# Altium PCB PCB.PcbDoc (part 6 of 10) (continued)
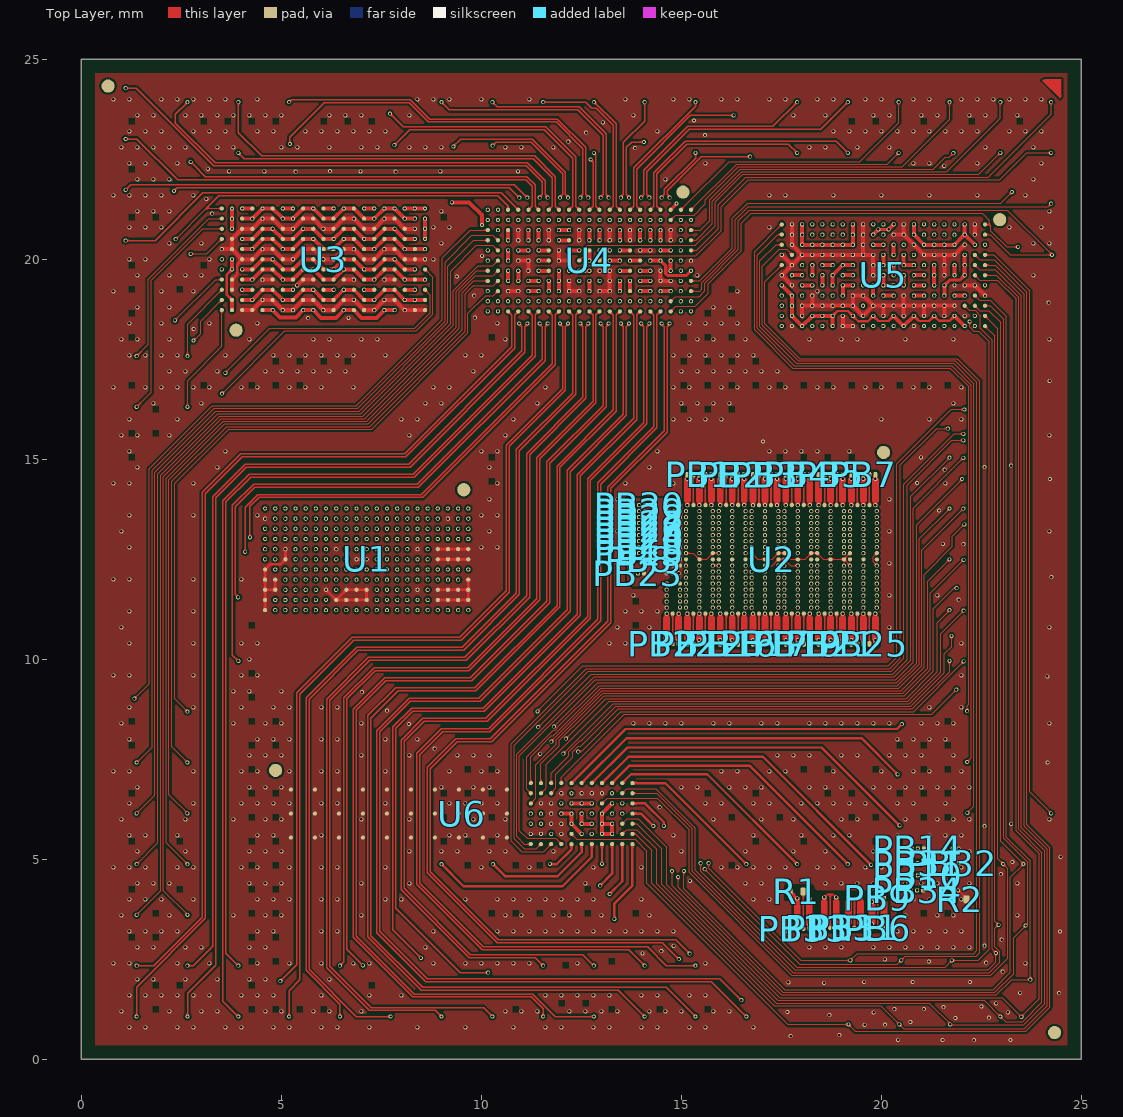
[diagram p0: Top Layer view]
## Nets (pads, with @x,y where several pads share a name; then routed paths per layer and width w, separated by ;. In a path a pad name is that pad's centre, name@x,y a point inside that pad or via, vN(x,y) a via of type N, cw(c..) or ccw(c..) an arc to the next point about the centre after c; other vN are vias at no path point) (continued)
  bu3 w0.035: v1(13.21,18.952) 13.49,18.672 v1(13.49,18.395)
  Core1 w0.1: v3(16.31,1.07) v6(16.625,1.071)
  Core1b w0.1: v3(16.31,1.07) v6(16.625,1.071)
  bu3b w0.1: v3(16.31,1.07) v4(16.51,1.07)
  bu2 w0.03: v2(7.007,9.606) 7.007,4.395 7.499,3.903 7.499,3.86 9.778,1.581 15.736,1.581 16.247,1.071 v6(16.625,1.071) ; v5@17.278,9.737 17.278,10.074 18.081,10.877 18.081,11.428 v2(18.247,11.594)
  bu2b w0.1: v3(16.31,1.07) v4(16.51,1.07)
  bu1 w0.03: v6(16.625,1.071) 17.279,1.725 v5(17.279,9.733)
  bu1b w0.1: v3(16.31,1.07) v6(16.625,1.071)
  other v1: 16.625,1.071 18.247,11.594
  other v2: 16.625,1.071
  other v5: 16.625,1.071
  other v7: 16.625,1.071
  other v8: 16.31,1.07
  other v10: 16.31,1.07
sig_W8: J1.W8 U1.I11 U2.78 U4.N11 | length 58.6
  Top Layer w0.035: U4.N11@13.464,18.698 13.374,18.608 13.374,16.205 11.967,14.798 11.967,11.312 9.865,9.21 7.929,9.21 7.241,8.522 7.241,3.093 8.533,1.801 14.624,1.801 v6(15.355,1.071)
  bu3 w0.03: v2(6.626,9.756) v1(6.626,11.23)
  Core1 w0.1: v3(15.04,1.07) v6(15.355,1.071)
  Core1b w0.1: v3(15.04,1.07) v6(15.355,1.071)
  bu3b w0.1: v3(15.04,1.07) v4(15.24,1.07)
  bu2 w0.03: v2(6.626,9.756) 6.626,4.406 7.227,3.805 7.227,3.264 8.781,1.71 9.523,1.71 9.742,1.491 14.934,1.491 v6(15.355,1.071) ; v5(16.948,9.258) 16.948,10.001 17.803,10.856 17.803,11.513 v2@17.577,11.739
  bu2b w0.1: v3(15.04,1.07) v4(15.24,1.07)
  bu1 w0.03: v6(15.355,1.071) 15.355,1.622 16.072,2.339 16.072,3.817 16.948,4.693 v5(16.948,9.258)
  bu1b w0.1: v3(15.04,1.07) v6(15.355,1.071)
  other v1: 15.355,1.071 17.577,11.744
  other v2: 15.355,1.071 17.577,11.744
  other v5: 15.355,1.071
  other v7: 15.355,1.071
  other v8: 15.04,1.07
  other v10: 15.04,1.07
sig_W9: J1.W9 U1.N8 U2.80 U4.M11 | length 59.1
  Top Layer w0.035: U4.M11@13.21,18.698 13.3,18.608 13.3,16.236 11.893,14.829 11.893,11.343 9.834,9.284 7.855,9.284 7.167,8.596 7.167,3.062 8.502,1.727 13.428,1.727 v1@14.085,1.071
  bu3 w0.03: v2@6.499,9.606 6.501,9.608 6.501,11.734 6.628,11.861 7.786,11.861 7.898,11.973 v1(7.896,11.992)
  Core1 w0.1: v10@13.77,1.07 v7@14.084,1.07
  Core1b w0.1: v10@13.77,1.07 v6@14.084,1.07
  bu3b w0.1: v3@13.77,1.07 v4@13.97,1.07
  bu2 w0.03: v2@6.499,9.606 6.501,9.604 6.501,4.404 7.147,3.758 7.147,3.197 8.712,1.632 9.489,1.632 9.722,1.399 13.756,1.399 v5@14.085,1.071
  bu2b w0.1: v8@13.77,1.07 v4@13.97,1.07
  bu1 w0.03: v5@14.085,1.071 15.011,1.997 15.011,3.899 16.709,5.597 16.709,9.309 16.691,9.327 16.691,9.431 16.739,9.479 16.739,9.946 17.684,10.891 17.684,11.937 v5@17.577,12.044
  bu1b w0.1: v8@13.77,1.07 v6@14.084,1.07
  other v1: 14.082,1.071 17.575,12.044
  other v2: 14.082,1.071 6.497,9.606 17.575,12.044
  other v3: 13.768,1.07
  other v4: 13.968,1.07
  other v5: 14.082,1.071 17.575,12.044
  other v6: 14.082,1.071
  other v7: 14.082,1.071
  other v8: 13.768,1.07
  other v10: 13.768,1.07
sig_W10: J1.W10 U1.H11 U2.75 U4.L10 | length 55.1
  Top Layer w0.035: v1(12.815,1.071) 11.847,1.071 11.291,1.627 8.328,1.627 6.873,3.082 6.873,8.724 7.613,9.464 9.759,9.464 11.713,11.418 11.713,14.903 13.12,16.31 13.12,18.314 13.184,18.378 v1(13.184,18.395)
  bu3 w0.03: v2(6.372,9.756) v1(6.372,11.23)
  bu3 w0.035: v1(12.956,18.952) 13.184,18.724 v1(13.184,18.395)
  Core1 w0.1: v3(12.5,1.07) v1(12.815,1.071)
  Core1b w0.1: v3(12.5,1.07) v1(12.815,1.071)
  bu3b w0.1: v3(12.5,1.07) v4(12.7,1.07)
  bu2 w0.03: v2(6.372,9.756) 6.372,4.373 7.068,3.677 7.068,3.15 8.671,1.547 9.45,1.547 9.678,1.319 12.566,1.319 v1(12.815,1.071) ; v5(16.47,9.672) 16.47,9.828 17.577,10.935 v2(17.577,11.294)
  bu2b w0.1: v3(12.5,1.07) v4(12.7,1.07)
  bu1 w0.03: v1(12.815,1.071) 13.72,1.976 13.72,3.468 16.47,6.218 v5(16.47,9.672)
  bu1b w0.1: v3(12.5,1.07) v1(12.815,1.071)
  other v1: 17.577,11.294
  other v2: 12.815,1.071
  other v5: 12.815,1.071
  other v6: 12.815,1.071
  other v7: 12.815,1.071
  other v8: 12.5,1.07
  other v10: 12.5,1.07
sig_W11: J1.W11 U1.H9 U2.89 U4.K10 | length 54.4
  Top Layer w0.035: v2(11.545,1.071) 11.545,1.269 11.246,1.567 8.283,1.567 6.799,3.051 6.799,8.755 7.582,9.538 9.729,9.538 11.639,11.448 11.639,14.934 13.046,16.341 13.046,18.314 12.982,18.378 v1(12.982,18.395)
  bu3 w0.03: v2(6.245,9.606) 6.245,11.612 v1(6.372,11.738)
  bu3 w0.035: v1(12.702,18.952) 12.982,18.672 v1(12.982,18.395)
  Core1 w0.1: v8(11.23,1.07) v2(11.545,1.071)
  Core1b w0.1: v8(11.23,1.07) v2(11.545,1.071)
  bu3b w0.1: v8(11.23,1.07) v4(11.43,1.07)
  bu2 w0.03: v2(6.245,9.606) 6.245,4.373 6.991,3.627 6.991,3.1 8.621,1.47 9.408,1.47 9.632,1.246 11.369,1.246 v2(11.545,1.071) ; v5(16.209,9.12) 16.209,9.748 17.324,10.863 17.324,11.341 v1(17.427,11.444)
  bu2b w0.1: v8(11.23,1.07) v4(11.43,1.07)
  bu1 w0.03: v2(11.545,1.071) 12.566,2.092 12.566,3.119 13.216,3.769 13.658,3.769 16.209,6.32 v5(16.209,9.12)
  bu1b w0.1: v8(11.23,1.07) v2(11.545,1.071)
  other v1: 11.545,1.071
  other v2: 17.427,11.444
  other v3: 11.23,1.07
  other v5: 11.545,1.071
  other v6: 11.545,1.071
  other v7: 11.545,1.071
  other v10: 11.23,1.07
sig_W12: J1.W12 U1.G11 U2.94 U4.J10 | length 54.6
  Top Layer w0.035: v2(10.275,1.071) 10.055,1.29 7.246,1.29 6.209,2.327 6.209,8.976 7.205,9.972 9.621,9.972 11.205,11.556 11.205,15.114 12.612,16.521 12.612,18.314 12.676,18.378 v1(12.676,18.395)
  bu3 w0.03: v2(6.118,9.756) v1(6.118,11.23)
  bu3 w0.035: v1(12.448,18.952) 12.676,18.724 v1(12.676,18.395)
  Core1 w0.1: v3(9.96,1.07) v2(10.275,1.071)
  Core1b w0.1: v3(9.96,1.07) v2(10.275,1.071)
  bu3b w0.1: v3(9.96,1.07) v4(10.16,1.07)
  bu2 w0.03: v2(6.118,9.756) 6.118,4.373 6.912,3.579 6.912,3.04 8.555,1.397 9.377,1.397 9.6,1.174 10.171,1.174 v2(10.275,1.071)
  bu2b w0.1: v3(9.96,1.07) v4(10.16,1.07)
  bu1 w0.03: v2(10.275,1.071) 10.945,1.741 10.945,3.213 11.983,4.251 13.04,4.251 13.135,4.346 13.889,4.346 15.969,6.426 15.969,9.074 15.952,9.091 15.952,9.333 16.002,9.383 16.002,9.684 17.211,10.893 17.211,11.978 v5(17.427,12.194)
  bu1b w0.1: v3(9.96,1.07) v2(10.275,1.071)
  other v1: 10.275,1.071 17.427,12.194
  other v2: 17.427,12.194
  other v5: 10.275,1.071
  other v6: 10.275,1.071
  other v7: 10.275,1.071
  other v8: 9.96,1.07
  other v10: 9.96,1.07
sig_W13: J1.W13 U1.E11 U2.110 U4.I10 | length 54.5
  Top Layer w0.035: v7(9.005,1.071) 8.845,1.23 7.195,1.23 6.135,2.29 6.135,9.007 7.174,10.046 9.59,10.046 11.131,11.587 11.131,15.145 12.538,16.552 12.538,18.314 12.474,18.378 v1(12.474,18.395)
  bu3 w0.03: v2(5.608,9.754) 5.61,9.756 v1(5.61,11.23)
  bu3 w0.035: v1(12.194,18.952) 12.474,18.672 v1(12.474,18.395)
  Core1 w0.1: v3(8.69,1.07) v7(9.005,1.071)
  Core1b w0.1: v3(8.69,1.07) v7(9.005,1.071)
  bu3b w0.1: v3(8.69,1.07) v4(8.89,1.07)
  bu2 w0.03: v2(5.608,9.754) 5.608,4.287 5.61,4.285 5.61,2.736 6.999,1.347 8.237,1.347 8.514,1.07 v7(9.005,1.071)
  bu2b w0.1: v3(8.69,1.07) v4(8.89,1.07)
  bu1 w0.03: v7(9.005,1.071) 9.666,1.732 9.666,3.608 10.636,4.578 13.801,4.578 15.689,6.466 15.689,8.709 15.674,8.724 15.674,8.811 15.707,8.844 15.707,9.602 16.957,10.852 16.957,11.994 v5(16.757,12.194)
  bu1b w0.1: v3(8.69,1.07) v7(9.005,1.071)
  other v1: 9.005,1.071 16.757,12.194
  other v2: 9.005,1.071 16.757,12.194
  other v5: 9.005,1.071
  other v6: 9.005,1.071
  other v8: 8.69,1.07
  other v10: 8.69,1.07
sig_W14: J1.W14 U1.E10 U2.105 U4.J11 | length 52.8
  Top Layer w0.035: v6(7.735,1.071) 6.875,1.071 5.693,2.252 5.693,9.005 6.914,10.226 9.555,10.226 10.951,11.622 10.951,15.219 12.358,16.626 12.358,18.608 U4.J11@12.448,18.698
  bu3 w0.03: v2(5.481,9.604) 5.481,11.368 5.597,11.484 v1(5.61,11.484)
  Core1 w0.1: v8(7.42,1.07) v6(7.735,1.071)
  Core1b w0.1: v8(7.42,1.07) v6(7.735,1.071)
  bu3b w0.1: v8(7.42,1.07) v4(7.62,1.07)
  bu2 w0.03: v2(5.481,9.604) 5.481,4.234 5.539,4.176 5.539,2.686 7.154,1.071 v6(7.735,1.071) ; v5(15.453,9.052) v5(15.453,9.052) 15.453,9.536 16.857,10.94 16.857,11.344 v2(16.757,11.444)
  bu2b w0.1: v8(7.42,1.07) v4(7.62,1.07)
  bu1 w0.03: v6(7.735,1.071) 8.24,1.576 8.24,3.351 10.001,5.112 13.716,5.112 14.074,5.47 14.074,6.004 15.453,7.383 v5(15.453,9.052)
  bu1b w0.1: v8(7.42,1.07) v6(7.735,1.071)
  other v1: 7.735,1.071 16.757,11.444
  other v2: 7.735,1.071
  other v3: 7.42,1.07
  other v5: 7.735,1.071
  other v7: 7.735,1.071
  other v10: 7.42,1.07
sig_W15: J1.W15 U1.D11 U2.117 U4.I11 | length 50.8
  Top Layer w0.035: v7(6.465,1.071) 6.465,1.376 5.619,2.221 5.619,9.035 6.884,10.3 9.524,10.3 10.877,11.653 10.877,15.25 12.284,16.657 12.284,18.608 U4.I11@12.194,18.698
  bu3 w0.03: v2(5.354,9.754) 5.356,9.756 v1(5.356,11.23)
  Core1 w0.1: v8(6.15,1.07) v7(6.465,1.071)
  Core1b w0.1: v8(6.15,1.07) v7(6.465,1.071)
  bu3b w0.1: v8(6.15,1.07) v4(6.35,1.07)
  bu2 w0.03: v2(5.354,9.754) 5.354,4.181 5.463,4.072 5.463,2.072 v7(6.465,1.071) ; v5(15.159,8.711) 15.159,9.424 16.607,10.872 v1(16.607,11.294)
  bu2b w0.1: v8(6.15,1.07) v4(6.35,1.07)
  bu1 w0.03: v7(6.465,1.071) 6.775,1.381 6.775,2.342 7.42,2.987 7.42,3.622 9.59,5.792 9.828,5.792 11.105,7.069 14.397,7.069 15.159,7.831 v5(15.159,8.711)
  bu1b w0.1: v8(6.15,1.07) v7(6.465,1.071)
  other v1: 6.465,1.071
  other v2: 6.465,1.071 16.607,11.294
  other v3: 6.15,1.07
  other v5: 6.465,1.071
  other v6: 6.465,1.071
  other v10: 6.15,1.07
sig_W16: J1.W16 U1.D10 U2.122 U4.H10 | length 52.8
  Top Layer w0.035: v6(5.195,1.071) 5.195,1.72 5.458,1.983 5.458,9.129 6.809,10.48 9.497,10.48 10.697,11.68 10.697,15.324 12.104,16.731 12.104,18.314 12.168,18.378 v1(12.168,18.395)
  bu3 w0.03: v2(5.227,9.604) 5.229,9.606 5.229,11.369 5.344,11.484 v1(5.356,11.484)
  bu3 w0.035: v1(11.94,18.952) 12.168,18.724 v1(12.168,18.395)
  Core1 w0.1: v8(4.88,1.07) v6(5.195,1.071)
  Core1b w0.1: v8(4.88,1.07) v6(5.195,1.071)
  bu3b w0.1: v8(4.88,1.07) v4(5.08,1.07)
  bu2 w0.03: v6(5.195,1.071) 5.382,1.258 5.382,3.972 5.229,4.125 5.229,9.572 5.227,9.574 v2(5.227,9.604)
  bu2b w0.1: v8(4.88,1.07) v4(5.08,1.07)
  bu1 w0.03: v6(5.195,1.071) 6.123,1.999 6.123,3.693 8.43,6 9.698,6 11.006,7.308 14.298,7.308 14.92,7.93 14.92,8.762 14.902,8.78 14.902,8.884 14.956,8.938 14.956,9.361 16.492,10.897 16.492,11.929 v5(16.607,12.044)
  bu1b w0.1: v8(4.88,1.07) v6(5.195,1.071)
  other v1: 5.195,1.071 16.607,12.044
  other v2: 5.195,1.071 16.607,12.044
  other v3: 4.88,1.07
  other v5: 5.195,1.071
  other v7: 5.195,1.071
  other v10: 4.88,1.07
sig_W17: J1.W17 U1.B11 U2.120 U4.E11 | length 54.4
  Top Layer w0.035: v6(3.925,1.071) 3.537,1.458 3.537,13.964 4.201,14.628 8.293,14.628 11.268,17.603 11.268,18.608 U4.E11@11.178,18.698
  bu3 w0.03: v2(4.799,8.978) 4.799,11.177 4.848,11.226 v1(4.848,11.23)
  Core1 w0.1: v3(3.61,1.07) v6(3.925,1.071)
  Core1b w0.1: v3(3.61,1.07) v6(3.925,1.071)
  bu3b w0.1: v3(3.61,1.07) v4(3.81,1.07)
  bu2 w0.03: v6(3.925,1.071) 4.056,1.071 4.714,1.729 4.714,8.711 4.799,8.796 v2(4.799,8.978) ; v5(14.681,9.125) 14.681,9.232 16.378,10.929 16.378,11.51 v2@16.607,11.739
  bu2b w0.1: v3(3.61,1.07) v4(3.81,1.07)
  bu1 w0.03: v6(3.925,1.071) 4.603,1.749 4.603,3.192 5.189,3.778 5.883,3.778 8.331,6.226 9.586,6.226 10.907,7.547 14.199,7.547 14.681,8.029 v5(14.681,9.125)
  bu1b w0.1: v3(3.61,1.07) v6(3.925,1.071)
  other v1: 3.925,1.071 16.607,11.744
  other v2: 3.925,1.071 16.607,11.744
  other v5: 3.925,1.071
  other v7: 3.925,1.071
  other v8: 3.61,1.07
  other v10: 3.61,1.07
sig_W18: J1.W18 U1.B10 U2.136 U4.D10 | length 56.9
  Top Layer w0.035: v6(2.655,1.071) 2.655,1.653 3.357,2.355 3.357,14.038 4.127,14.808 8.218,14.808 11.088,17.678 11.088,18.314 11.152,18.378 v1(11.152,18.395)
  bu3 w0.03: v2(4.67,9.249) 4.67,11.318 4.836,11.484 v1(4.848,11.484)
  bu3 w0.035: v1(10.924,18.952) 11.152,18.724 v1(11.152,18.395)
  Core1 w0.1: v3(2.34,1.07) v6(2.655,1.071)
  Core1b w0.1: v3(2.34,1.07) v6(2.655,1.071)
  bu3b w0.1: v3(2.34,1.07) v4(2.54,1.07)
  bu2 w0.03: v6(2.655,1.071) 2.991,1.407 4.279,1.407 4.632,1.76 4.632,8.802 4.67,8.84 v2(4.67,9.249) ; v5(14.527,8.496) 14.527,9.22 16.163,10.856 16.163,11.513 v2@15.937,11.739
  bu2b w0.1: v3(2.34,1.07) v4(2.54,1.07)
  bu1 w0.03: v6(2.655,1.071) 2.927,1.071 4.53,2.673 4.53,3.221 7.611,6.302 9.526,6.302 10.867,7.643 14.152,7.643 14.527,8.018 v5(14.527,8.496)
  bu1b w0.1: v3(2.34,1.07) v6(2.655,1.071)
  other v1: 2.655,1.071 15.937,11.744
  other v2: 2.655,1.071 15.937,11.744
  other v5: 2.655,1.071
  other v7: 2.655,1.071
  other v8: 2.34,1.07
  other v10: 2.34,1.07
sig_W19: J1.W19 U1.D9 U2.139 U4.D11 | length 60.6
  Top Layer w0.035: v7(1.385,1.071) 1.385,1.805 3.103,3.523 3.103,14.144 4.021,15.062 8.113,15.062 10.834,17.783 10.834,18.608 U4.D11@10.924,18.698
  bu3 w0.03: v2(4.545,8.978) 4.545,11.384 4.781,11.62 5.238,11.62 v1(5.356,11.738)
  Core1 w0.1: v8(1.07,1.07) v7(1.385,1.071)
  Core1b w0.1: v8(1.07,1.07) v7(1.385,1.071)
  bu3b w0.1: v8(1.07,1.07) v4(1.27,1.07)
  bu2 w0.03: v7(1.385,1.071) 1.848,1.534 4.298,1.534 4.545,1.781 v2(4.545,8.978)
  bu2b w0.1: v8(1.07,1.07) v4(1.27,1.07)
  bu1 w0.03: v7(1.385,1.071) 2.341,2.027 3.773,2.027 4.445,2.699 4.445,3.252 7.571,6.378 9.486,6.378 10.833,7.725 14.118,7.725 14.445,8.052 14.445,8.433 14.43,8.448 14.43,8.535 14.471,8.576 14.471,9.21 16.137,10.876 16.137,11.994 v5(15.937,12.194)
  bu1b w0.1: v8(1.07,1.07) v7(1.385,1.071)
  other v1: 1.385,1.071 15.937,12.194
  other v2: 1.385,1.071 15.937,12.194
  other v3: 1.07,1.07
  other v5: 1.385,1.071
  other v6: 1.385,1.071
  other v10: 1.07,1.07
TXVDD: J1.F12 J1.F13 U4.E3 U4.E4 U4.E9 U4.F9 U4.P9 U4.Q3 U4.Q4 U4.Q9 | length 10.2
  Top Layer w0.1: v1(11.178,19.206) v1(11.432,19.206) ; v1(11.178,20.476) v1(11.178,20.73) ; v1(13.972,19.206) v1(14.226,19.206) ; v1(14.226,20.476) v1(14.226,20.73)
  bu3 w0.1: v1(11.178,19.206) v2(11.305,19.206) v1(11.432,19.206) ; v1(11.178,20.476) v2(11.178,20.603) v1(11.178,20.73) ; v1(13.972,19.206) v2(14.099,19.206) v1(14.226,19.206) ; v1(14.226,20.476) v2(14.226,20.603) v1(14.226,20.73)
  Core1b w0.1: v15(14.225,20.923) 14.226,20.922 v1(14.226,20.476)
  bu3b w0.1: v4(8.515,17.405) v8(8.59,17.48) 8.69,17.58 ; v4(8.515,17.755) v8(8.59,17.68) 8.69,17.58 ; v4(8.865,17.405) v8(8.79,17.48) 8.69,17.58 ; v4(8.865,17.755) v8(8.79,17.68) 8.69,17.58 ; v4(9.785,17.405) v8(9.86,17.48) 9.96,17.58 ; v4(9.785,17.755) v8(9.86,17.68) 9.96,17.58 ; v4(10.135,17.405) v8(10.06,17.48) 9.96,17.58 ; v4(10.135,17.755) v8(10.06,17.68) 9.96,17.58
  bu2 w0.1: v1(11.178,20.476) v2(11.178,20.603) ; v2(11.305,19.206) v1(11.432,19.206) ; v1(13.972,19.206) v2(14.099,19.206) ; v1(14.226,20.476) v2(14.226,20.603) v1(14.226,20.73)
  bu2b w0.1: v4(8.515,17.405) v8(8.59,17.48) 8.69,17.58 ; v4(8.515,17.755) v8(8.59,17.68) 8.69,17.58 ; v4(8.865,17.405) v8(8.79,17.48) 8.69,17.58 ; v4(8.865,17.755) v8(8.79,17.68) 8.69,17.58 ; v4(9.785,17.405) v8(9.86,17.48) 9.96,17.58 ; v4(9.785,17.755) v8(9.86,17.68) 9.96,17.58 ; v4(10.135,17.405) v8(10.06,17.48) 9.96,17.58 ; v4(10.135,17.755) v8(10.06,17.68) 9.96,17.58
  bu1 w0.08: v1(13.972,19.206) 14.188,19.206 14.409,19.427 14.409,19.504 14.316,19.597 14.316,19.795 14.381,19.86 14.381,20.071 14.226,20.226 v1(14.226,20.476) v1(14.226,20.73)
  bu1b w0.1: v8(8.59,17.48) 8.69,17.58 ; v8(8.59,17.68) 8.69,17.58 ; v8(8.79,17.48) 8.69,17.58 ; v8(8.79,17.68) 8.69,17.58 ; v8(9.86,17.48) 9.96,17.58 ; v8(9.86,17.68) 9.96,17.58 ; v8(10.06,17.48) 9.96,17.58 ; v8(10.06,17.68) 9.96,17.58
  other v2: 14.226,20.73
  other v3: 8.59,17.48 8.79,17.48 9.86,17.48 10.06,17.48 8.59,17.68 8.79,17.68 9.86,17.68 10.06,17.68
  other v5: 11.432,19.206 13.972,19.206 11.178,20.476 14.226,20.476 14.226,20.73
  other v6: 11.432,19.206 11.178,20.476
  other v7: 11.432,19.206 11.178,20.476 14.226,20.476
  other v9: 11.432,19.206 11.178,20.476 14.226,20.476
us__CML_clk_n: J1.D6 U5.K1 | length 4
  bu3b w0.03: v3(17.58,20.12) 18.344,20.884 v8(18.426,20.884)
  bu1 w0.03: v1(20.052,20.872) 20.052,21.379 v6(20.209,21.536)
  bu1b w0.03: v8(18.426,20.884) 18.584,20.884 18.608,20.908 18.608,20.966 18.813,21.171 19.886,21.171 20.116,21.401 20.191,21.401 20.209,21.418 v6(20.209,21.536)
  other v2: 20.052,20.872
  other v4: 18.426,20.884
  other v5: 20.052,20.872
  other v7: 20.209,21.536
  other v12: 20.209,21.536
us__CML_clk_p: J1.D5 U5.K2 | length 3.4
  bu3b w0.03: v3(18.85,20.12) 18.85,20.877 v8(18.87,20.897)
  bu1 w0.03: v1(20.052,20.618) 20.209,20.775 v6(20.209,21.186)
  bu1b w0.03: v8(18.87,20.897) 18.864,20.89 18.706,20.89 18.688,20.908 18.688,20.933 18.846,21.091 19.919,21.091 20.149,21.321 20.191,21.321 20.209,21.303 v6(20.209,21.186)
  other v2: 20.052,20.618
  other v4: 18.87,20.897
  other v5: 20.052,20.618
  other v7: 20.209,21.186
  other v12: 20.209,21.186
us__rx_out_0_n: J1.D4 U5.O2 | length 8.4
  bu3b w0.03: v3(20.12,20.12) 20.462,20.462 21.373,20.462 22.392,19.443 v8(22.392,19.087)
  bu1 w0.03: v7(20.779,21.186) 20.932,21.033 20.932,20.754 v5(21.068,20.618)
  bu1b w0.03: v7(20.779,21.186) 20.779,21.303 20.797,21.321 20.864,21.321 20.971,21.214 22.355,21.214 22.674,20.895 22.674,19.94 22.834,19.779 22.834,19.177 22.675,19.018 22.461,19.018 v8(22.392,19.087)
  other v1: 21.068,20.618
  other v2: 21.068,20.618
  other v4: 22.392,19.087
  other v6: 20.779,21.186
  other v12: 20.779,21.186
us__rx_out_0_p: J1.E4 U5.O1 | length 8.1
  bu3b w0.03: v3(20.12,18.85) 20.456,18.514 22.034,18.514 v8(22.396,18.876)
  bu1 w0.03: v12(20.779,21.536) 20.779,21.36 21.068,21.071 v2(21.068,20.872)
  bu1b w0.03: v12(20.779,21.536) 20.779,21.418 20.797,21.401 20.897,21.401 21.004,21.294 22.388,21.294 22.754,20.928 22.754,19.973 22.914,19.813 22.914,19.144 22.708,18.938 22.458,18.938 v8(22.396,18.876)
  other v1: 21.068,20.872
  other v4: 22.396,18.876
  other v5: 21.068,20.872
  other v6: 20.779,21.536
  other v7: 20.779,21.536
us__rx_out_1_n: J1.E12 U5.G1 | length 17.1
  bu3b w0.035: v3(9.96,18.85) 10.273,18.85 10.584,19.161 10.584,19.306 10.374,19.516 9.908,19.516 9.46,19.964 9.46,21.543 10.113,22.196 10.464,22.196 10.734,22.466 10.734,22.495 10.684,22.544 v4(10.667,22.544)
  bu1 w0.035: v5(19.036,20.872) 19.047,20.861 19.047,20.808 19.067,20.788 19.096,20.788 19.295,20.986 19.295,21.494 19.554,21.753 19.618,21.753 19.639,21.774 v7(19.639,21.885)
  bu1b w0.035: v4(10.667,22.544) 10.736,22.613 10.736,22.832 10.966,23.062 18.281,23.062 19.59,21.753 19.618,21.753 19.639,21.774 v7(19.639,21.885)
  other v1: 19.036,20.872
  other v2: 19.036,20.872
  other v6: 19.639,21.885
  other v8: 10.667,22.544
  other v12: 19.639,21.885
us__rx_out_1_p: J1.E11 U5.G2 | length 16.9
  bu3b w0.035: v4(10.885,22.551) 10.875,22.551 10.819,22.495 10.819,22.43 10.499,22.111 10.148,22.111 9.545,21.508 9.545,19.999 9.943,19.601 10.409,19.601 10.669,19.341 10.669,19.161 10.98,18.85 v3(11.23,18.85)
  bu1 w0.035: v5(19.036,20.618) 19.047,20.629 19.047,20.682 19.067,20.703 19.132,20.703 19.38,20.951 19.38,21.459 19.59,21.668 19.618,21.668 19.639,21.648 v12(19.639,21.536)
  bu1b w0.035: v4(10.885,22.551) 10.821,22.615 10.821,22.797 11.001,22.977 18.245,22.977 19.554,21.668 19.618,21.668 19.639,21.648 v12(19.639,21.536)
  other v1: 19.036,20.618
  other v2: 19.036,20.618
  other v6: 19.639,21.536
  other v7: 19.639,21.536
  other v8: 10.885,22.551
us__rx_out_2_n: J1.D12 U5.F1 | length 12.1
  bu3b w0.035: v3(9.96,20.12) 10.601,20.761 10.601,21.292 v8(10.488,21.405)
  bu1 w0.035: v2(18.782,20.872) 18.782,21.678 v6(18.989,21.885)
  bu1b w0.035: v8(10.488,21.405) 10.488,21.603 11.247,22.362 17.999,22.362 18.608,21.753 18.968,21.753 18.989,21.774 v6(18.989,21.885)
  other v1: 18.782,20.872
  other v4: 10.488,21.405
  other v5: 18.782,20.872
  other v7: 18.989,21.885
  other v12: 18.989,21.885
us__rx_out_2_p: J1.D11 U5.F2 | length 11.7
  bu3b w0.035: v8(10.839,21.401) 10.719,21.281 10.719,20.631 v3(11.23,20.12)
  bu1 w0.035: v2(18.782,20.618) 18.909,20.745 18.909,21.456 v7(18.989,21.536)
  bu1b w0.035: v8(10.839,21.401) 10.833,21.401 10.783,21.451 10.783,21.778 11.282,22.277 17.964,22.277 18.573,21.668 18.968,21.668 18.989,21.648 v7(18.989,21.536)
  other v1: 18.782,20.618
  other v4: 10.839,21.401
  other v5: 18.782,20.618
  other v6: 18.989,21.536
  other v12: 18.989,21.536
us__rx_out_3_n: J1.M5 U5.P2 | length 18.9
  bu3b w0.035: v8(18.85,9.96) v4(19.05,9.96)
  bu2b w0.035: v8(18.85,9.96) v4(19.05,9.96)
  bu1 w0.03: v2(21.322,20.618) 21.443,20.739 21.443,21.094 21.443,21.442 v6(21.349,21.536)
  bu1b w0.035: v8(18.85,9.96) 19.223,9.96 19.496,10.233 19.496,10.354 19.771,10.629 20.229,10.629 23.851,14.251 23.851,21.724 23.227,22.348 22.122,22.348 21.442,21.668 21.37,21.668 21.349,21.648 v6(21.349,21.536)
  other v1: 21.322,20.618
  other v3: 18.85,9.96
  other v5: 21.322,20.618
  other v7: 21.349,21.536
  other v12: 21.349,21.536
us__rx_out_3_p: J1.M4 U5.P1 | length 19
  bu3b w0.035: v8(20.12,9.96) v4(20.32,9.96)
  bu2b w0.035: v8(20.12,9.96) v4(20.32,9.96)
  bu1 w0.03: v2(21.322,20.872) 21.202,20.992 21.202,21.738 v6(21.349,21.885)
  bu1b w0.035: v8(20.12,9.96) 19.849,9.96 19.576,10.233 19.576,10.321 19.804,10.549 20.262,10.549 23.931,14.218 23.931,21.757 23.255,22.433 22.087,22.433 21.407,21.753 21.37,21.753 21.349,21.774 v6(21.349,21.885)
  other v1: 21.322,20.872
  other v3: 20.12,9.96
  other v5: 21.322,20.872
  other v7: 21.349,21.885
  other v12: 21.349,21.885
us__rx_out_4_n: J1.K4 U5.Q2 | length 15.3
  bu3b w0.035: v8(20.12,12.5) v4(20.32,12.5)
  bu2b w0.035: v8(20.12,12.5) v4(20.32,12.5)
  bu1 w0.03: v2(21.576,20.618) 21.694,20.736 21.694,20.961 21.919,21.186 v6(21.919,21.536)
  bu1b w0.035: v8(20.12,12.5) 20.12,11.923 20.138,11.905 20.279,11.905 23.505,15.131 23.505,21.591 23.002,22.094 22.436,22.094 22.012,21.671 21.937,21.671 21.919,21.653 v6(21.919,21.536)
  other v1: 21.576,20.618
  other v3: 20.12,12.5
  other v5: 21.576,20.618
  other v7: 21.919,21.536
  other v12: 21.919,21.536
us__rx_out_4_p: J1.L4 U5.Q1 | length 15.7
  bu3b w0.035: v8(20.12,11.23) v4(20.32,11.23)
  bu2b w0.035: v8(20.12,11.23) v4(20.32,11.23)
  bu1 w0.03: v5(21.576,20.872) 21.576,21.039 21.782,21.245 21.782,21.748 v6(21.919,21.885)
  bu1b w0.035: v8(20.12,11.23) 20.12,11.807 20.138,11.825 20.312,11.825 23.585,15.098 23.585,21.624 23.035,22.174 22.402,22.174 21.979,21.751 21.937,21.751 21.919,21.768 v6(21.919,21.885)
  other v1: 21.576,20.872
  other v2: 21.576,20.872
  other v3: 20.12,11.23
  other v7: 21.919,21.885
  other v12: 21.919,21.885
us__rx_out_5_n: J1.D10 U5.E1 | length 8.3
  bu3b w0.03: v3(12.5,20.12) 12.5,20.798 v8(13.049,21.347)
  bu1 w0.035: v6(18.339,21.536) 18.528,21.347 v5(18.528,20.872)
  bu1b w0.035: v8(13.049,21.347) 13.05,21.348 13.142,21.348 13.163,21.369 13.163,21.433 13.923,22.193 17.5,22.193 18.289,21.403 18.318,21.403 18.339,21.424 v6(18.339,21.536)
  other v1: 18.528,20.872
  other v2: 18.528,20.872
  other v4: 13.049,21.347
  other v7: 18.339,21.536
  other v12: 18.339,21.536
us__rx_out_5_p: J1.D9 U5.E2 | length 8
  bu3b w0.03: v8(13.362,21.35) 13.77,20.942 v3(13.77,20.12)
  bu1 w0.035: v6(18.339,21.186) 18.4,21.125 18.4,20.746 v5(18.528,20.618)
  bu1b w0.035: v8(13.362,21.35) 13.36,21.348 13.269,21.348 13.248,21.369 13.248,21.398 13.958,22.108 17.465,22.108 18.254,21.318 18.318,21.318 18.339,21.298 v6(18.339,21.186)
  other v1: 18.528,20.618
  other v2: 18.528,20.618
  other v4: 13.362,21.35
  other v7: 18.339,21.186
  other v12: 18.339,21.186
us__rx_out_6_n: J1.D8 U5.D1 | length 4.9
  bu3b w0.03: v3(15.04,20.12) 15.749,20.829 v8(15.749,21.279)
  bu1 w0.035: v6(17.689,21.536) 17.689,21.457 v2(18.274,20.872)
  bu1b w0.035: v8(15.749,21.279) 15.749,21.282 15.816,21.348 15.816,21.483 16.218,21.885 16.886,21.885 17.368,21.403 17.668,21.403 17.689,21.424 v6(17.689,21.536)
  other v1: 18.274,20.872
  other v4: 15.749,21.279
  other v5: 18.274,20.872
  other v7: 17.689,21.536
  other v12: 17.689,21.536
us__rx_out_6_p: J1.D7 U5.D2 | length 4.7
  bu3b w0.03: v8(15.967,21.285) 16.31,20.942 v3(16.31,20.12)
  bu1 w0.035: v6(17.689,21.186) 17.821,21.186 18.02,20.987 18.049,20.987 18.146,20.89 18.146,20.746 v2(18.274,20.618)
  bu1b w0.035: v8(15.967,21.285) 15.964,21.285 15.901,21.348 15.901,21.448 16.253,21.8 16.851,21.8 17.332,21.318 17.668,21.318 17.689,21.298 v6(17.689,21.186)
  other v1: 18.274,20.618
  other v4: 15.967,21.285
  other v5: 18.274,20.618
  other v7: 17.689,21.186
  other v12: 17.689,21.186
us__rx_out_7_n: J1.K5 U5.R2 | length 13.7
  bu3b w0.035: v3(18.85,12.5) v4(19.05,12.5)
  bu2b w0.035: v3(18.85,12.5) v4(19.05,12.5)
  bu1 w0.03: v2(21.83,20.618) 21.991,20.618 22.489,21.116 v6(22.489,21.536)
  bu1b w0.03: v6(22.489,21.536) 22.489,21.653 22.507,21.671 22.531,21.671 23.176,21.026 23.176,20.658
  bu1b w0.035: v3(18.85,12.5) 19.075,12.275 19.332,12.275 21.326,14.269 21.397,14.269 23.176,16.048 23.176,20.658
  other v1: 21.83,20.618
  other v5: 21.83,20.618
  other v7: 22.489,21.536
  other v8: 18.85,12.5
  other v12: 22.489,21.536
us__rx_out_7_p: J1.L5 U5.R1 | length 14.6
  bu3b w0.035: v8(18.85,11.23) v4(19.05,11.23)
  bu2b w0.035: v8(18.85,11.23) v4(19.05,11.23)
  bu1 w0.03: v1(21.83,20.872) 21.939,20.872 22.364,21.297 22.364,21.76 v6(22.489,21.885)
  bu1b w0.03: v6(22.489,21.885) 22.489,21.768 22.507,21.751 22.565,21.751 23.256,21.059 23.256,20.691
  bu1b w0.035: v8(18.85,11.23) 18.85,11.68 21.36,14.189 21.431,14.189 23.256,16.015 23.256,20.691
  other v2: 21.83,20.872
  other v3: 18.85,11.23
  other v5: 21.83,20.872
  other v7: 22.489,21.885
  other v12: 22.489,21.885
us__rx_out_8_n: J1.J5 U5.L11 | length 5.8
  bu3b w0.035: v8(18.85,13.77) v4(19.05,13.77)
  bu2b w0.035: v8(18.85,13.77) v4(19.05,13.77)
  bu1 w0.03: v7(20.207,17.729) 20.371,17.893 20.371,18.263 20.306,18.328 v5(20.306,18.332)
  bu1b w0.035: v8(18.85,13.77) 18.85,14.347 18.868,14.365 18.926,14.365 19.571,15.01 19.571,17.271 20.03,17.729 v7(20.207,17.729)
  other v1: 20.306,18.332
  other v2: 20.306,18.332
  other v3: 18.85,13.77
  other v6: 20.207,17.729
  other v12: 20.207,17.729
us__rx_out_8_p: J1.H5 U5.K11 | length 5.5
  bu3b w0.035: v8(18.85,15.04) v4(19.05,15.04)
  bu2b w0.035: v8(18.85,15.04) v4(19.05,15.04)
  bu1 w0.03: v5(20.052,18.332) 20.065,18.319 20.065,18.221 v7(20.207,18.079)
  bu1b w0.035: v8(18.85,15.04) 18.85,14.463 18.868,14.445 18.892,14.445 19.491,15.044 19.491,17.304 20.2,18.012 20.2,18.072 v7(20.207,18.079)
  other v1: 20.052,18.332
  other v2: 20.052,18.332
  other v3: 18.85,15.04
  other v6: 20.207,18.079
  other v12: 20.207,18.079